# Altium PCB DC_Motor.PcbDoc (part 1 of 2)
Units mm, origin at the board's own origin, x right, y up, seen from the top; angles counter-clockwise.
Board outline 88.9 x 53.21 mm, 2 copper layers (Top Layer, Bottom Layer); 173 components, 107 nets, 517 pads, 209 vias.
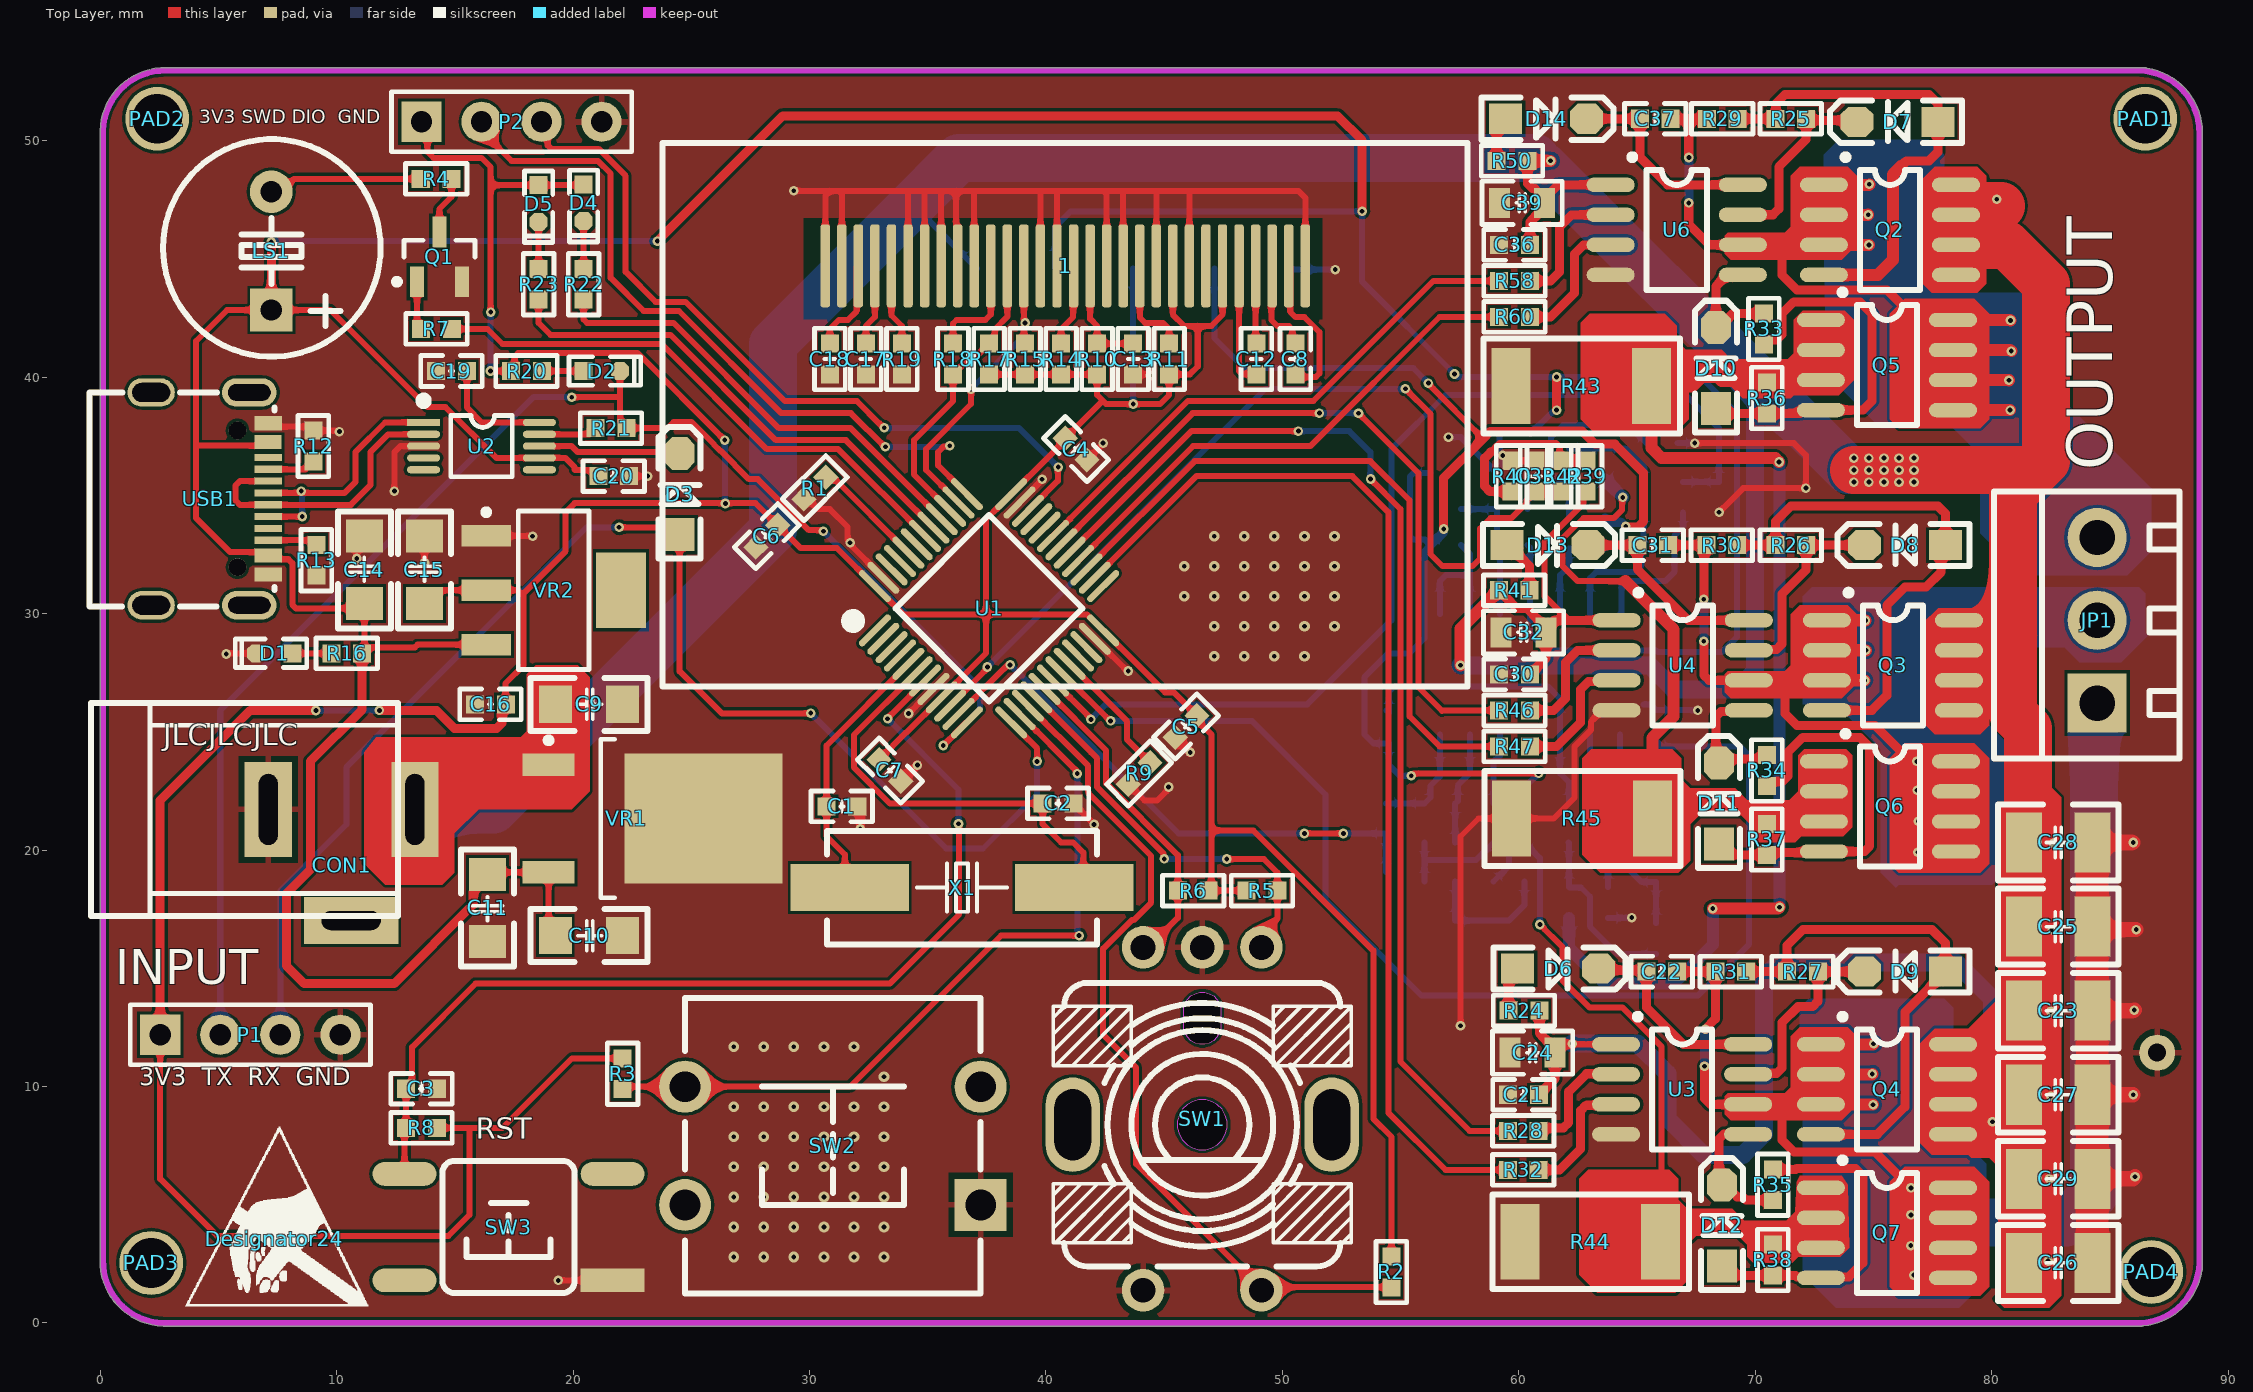
[diagram p0: Top Layer view]
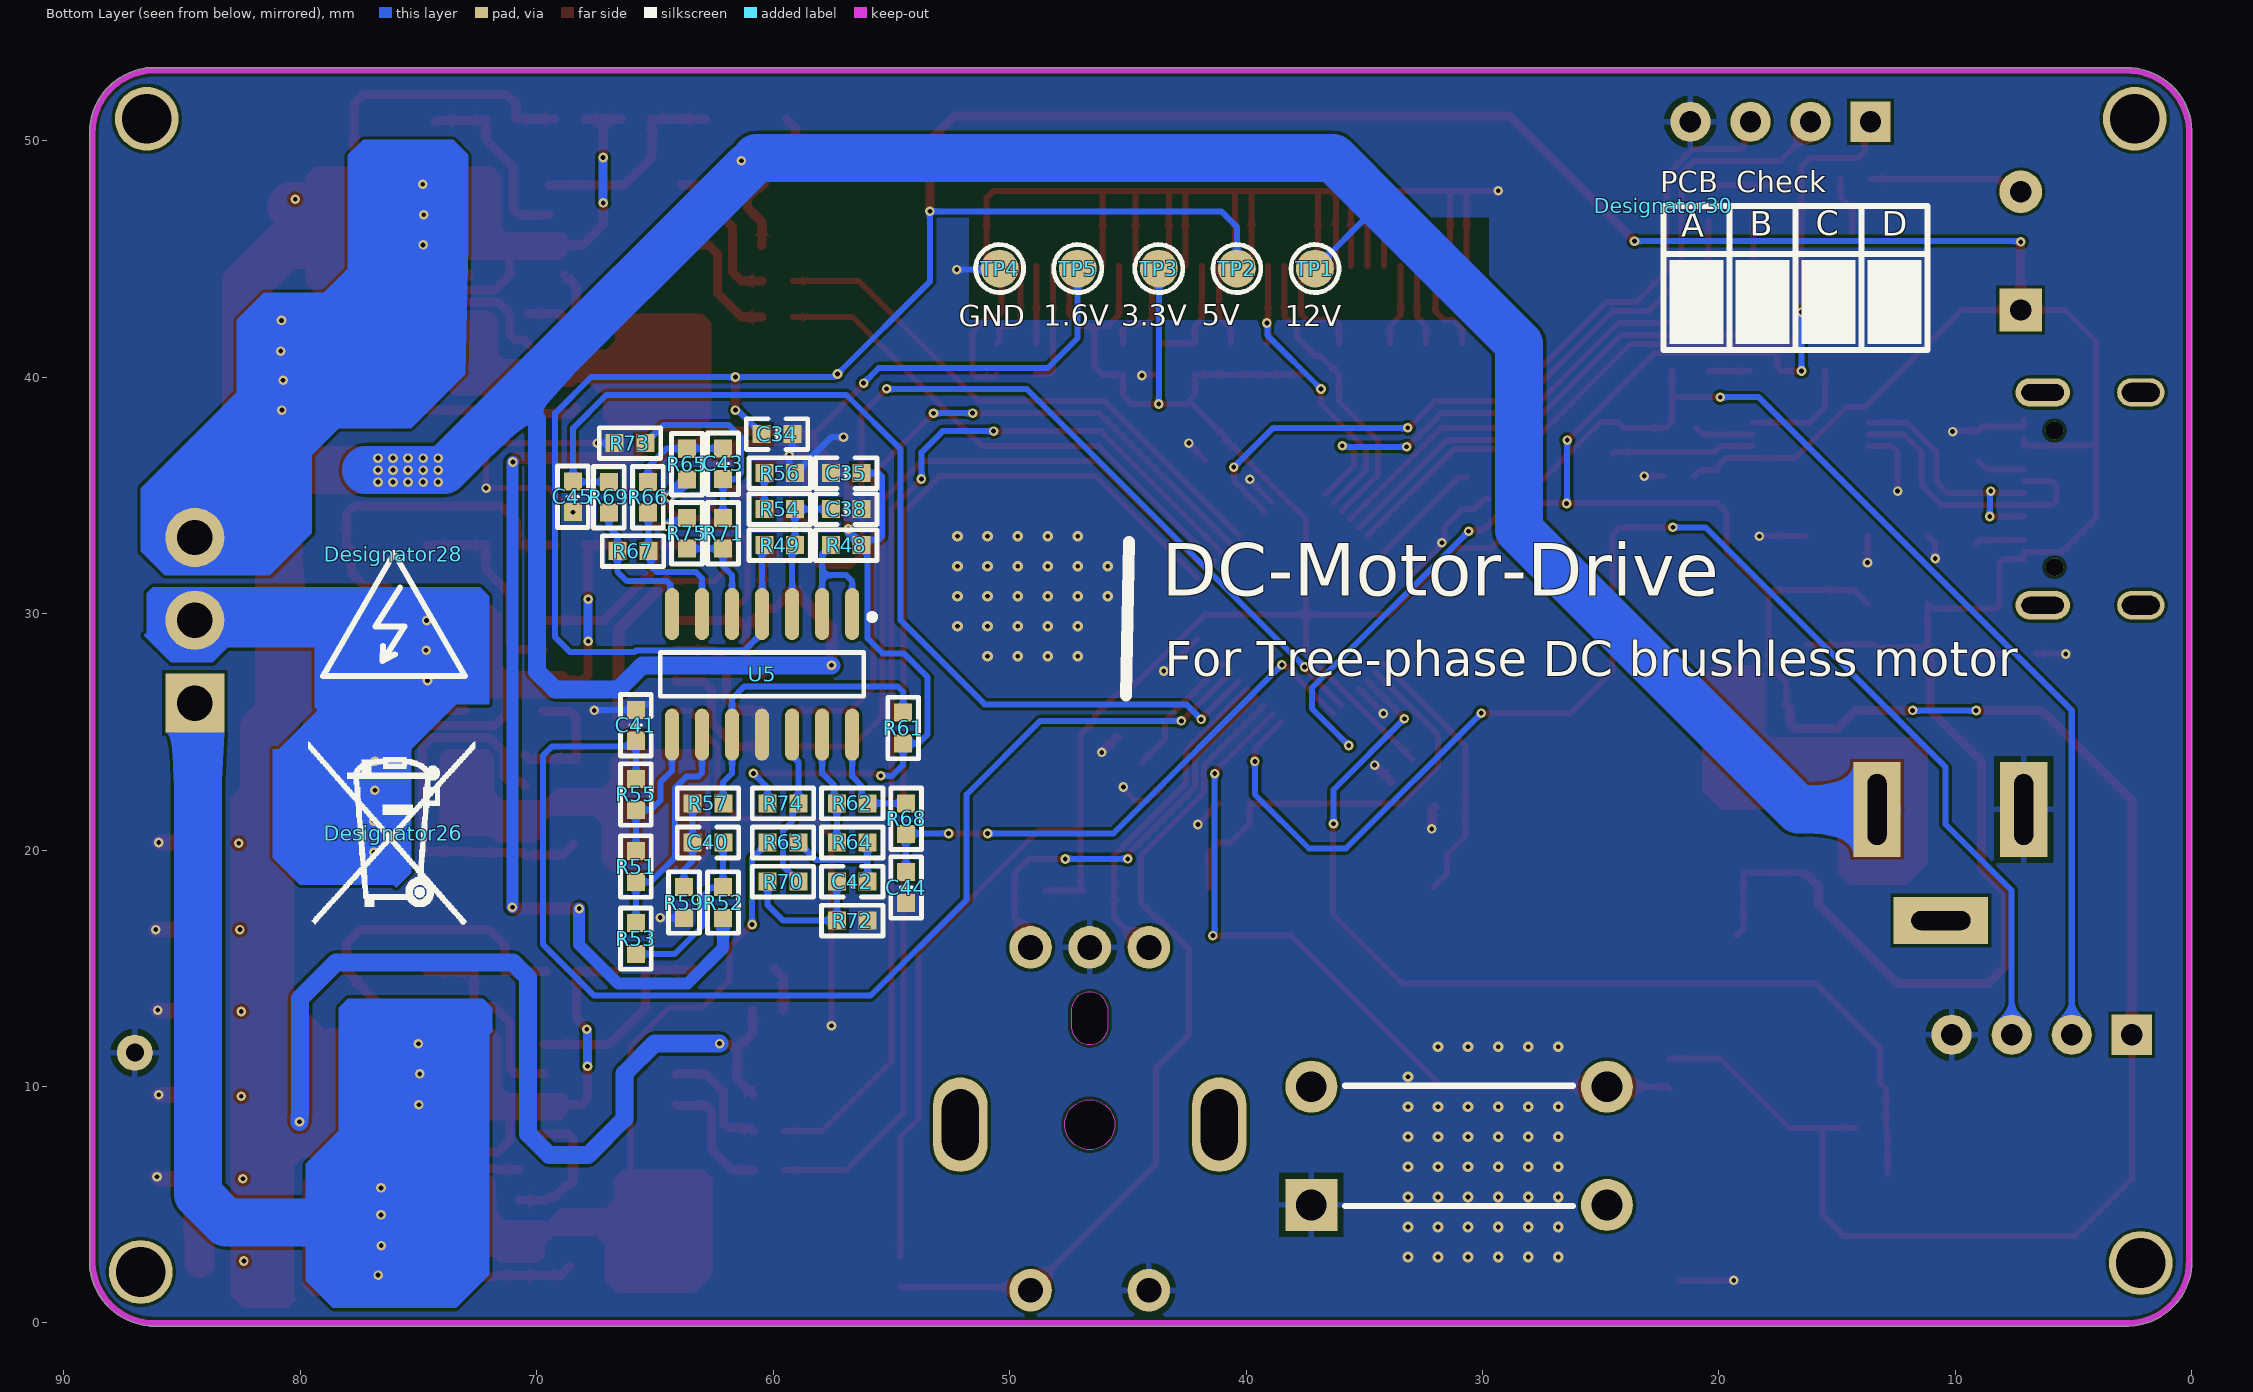
[diagram p1: Bottom Layer view, seen from below]

## Layer stack, top to bottom
Top Solder: solder mask 0.0102, Solder Resist, Dk 3.5
Top Layer: signal copper 0.0356
Dielectric 1: dielectric 0.32, FR-4, Dk 4.8
Bottom Layer: signal copper 0.0356
Bottom Solder: solder mask 0.0102, Solder Resist, Dk 3.5

## Board outline
2.667,-0.127 2.668,-0.127 86.104,-0.127 cw(c86.169,2.603) 86.103,-0.127 86.104,-0.127 ccw(c86.169,2.603) 86.235,-0.127 86.36,-0.127 ccw(c86.36,0) 86.409,-0.118 ccw(c86.169,2.603) 88.872,2.206 ccw(c88.773,2.286) 88.9,2.286 88.9,2.541 88.9,50.29 ccw(c86.169,50.355) 88.901,50.355 ccw(c86.169,50.355) 88.9,50.421 88.9,50.546 ccw(c88.773,50.546) 88.891,50.595 ccw(c86.169,50.355) 86.567,53.058 ccw(c86.487,52.959) 86.487,53.086 2.796,53.086 cw(c2.73,50.355) 2.797,53.086 2.796,53.086 ccw(c2.73,50.355) 0,50.422 ccw(c0.127,50.419) 0,50.419 0,2.669 cw(c2.73,2.603) 0,2.67 0,2.669 ccw(c2.73,2.603) 2.664,-0.127 ccw(c2.667,0)

## Design rules (kind name [scope] priority, off if disabled: settings)
Clearance [All] p1: gap=0.127 ignorepadtopadclearanceinfootprint=FALSE
ComponentClearance [All] p1: gap=0 collisioncheckmode=3 verticalgap=0 showdistances=FALSE
DiffPairsRouting [All] p1: maxlimit=0.229 minlimit=0.229 mostfreqgap=0.229 toplayer_minwidth=0.102 toplayer_maxwidth=0.102 toplayer_prefwidth=0.102 bottomlayer_minwidth=0.102 bottomlayer_maxwidth=0.102 bottomlayer_prefwidth=0.102 maxuncoupledlength=12.7
FanoutControl Fanout_BGA [All] p1: bgadir=Out bgaviamode=Centered fanoutstyle=Auto fanoutdirection=Alternating viagrid=0.025 // Fanout_BGA (Default Rule)
HoleSize [All] p1: absolutevalues=TRUE maxlimit=254 minlimit=0.203 maxpercent=80.000 minpercent=20.000
MinimumSolderMaskSliver [All] p1 off: minsoldermaskwidth=0.051
PlaneClearance [All] p1: clearance=0.203
PlaneConnect [All] p1: pad.planeconnectstyle=Relief pad.reliefexpansion=0.508 pad.reliefentries=4 pad.reliefconductorwidth=0.254 pad.reliefairgap=0.254 via.planeconnectstyle=Direct via.reliefexpansion=0.508 via.reliefentries=4 via.reliefconductorwidth=0.254 via.reliefairgap=0.254
PolygonConnect [All] p1: thpad.connectstyle=Relief thpad.reliefconductorwidth=0.254 thpad.reliefentries=4 thpad.polygonreliefangle="90 Angle" thpad.airgapwidth=0.254 smdpad.connectstyle=Direct smdpad.reliefconductorwidth=0.254 smdpad.reliefentries=4 smdpad.polygonreliefangle="90 Angle" smdpad.airgapwidth=0.254 via.connectstyle=Direct via.reliefconductorwidth=0.254 via.reliefentries=4 via.polygonreliefangle="90 Angle" via.airgapwidth=0.254
RoutingVias [All] p1: holewidth=0.203 width=0.406 viastyle="Through Hole" minholewidth=0.152 minwidth=0.305 maxholewidth=0.711 maxwidth=1.27
SilkToSilkClearance [All] p1: silktosilkclearance=0
SilkToSolderMaskClearance [IsPad] p1: minsilkscreentomaskgap=0 clearancetoexposedcopper=TRUE
SolderMaskExpansion [All] p1: expansion=0.076 istentingtop=FALSE
UnRoutedNet [All] p1: checkbadconnections=TRUE
Width [All] p1: maxlimit=254 minlimit=0.102 preferedwidth=0.254 minimp=50.000000 maximp=50.000000 favimp=50.000000
20 further rules are at their usual default settings.

## Classes and differential pairs
net class GND: GND
component class Main: 1 C1 C2 C3 C4 C5 C6 C7 C8 C9 C10 C11 C12 C13 C14 C15 C16 C17 C18 C19 C20 CON1 D1 D2 D3 D4 D5 LS1 P1 P2 PAD1 PAD2 PAD3 PAD4 Q1 R1 R2 R3 R4 R5 R6 R7 R8 R9 R10 R11 R12 R13 R14 R15 R16 R17 R18 R19 R20 R21 R22 R23 SW1 SW2 SW3 TP1 TP2 TP3 TP4 TP5 U1 U2 USB1 VR1 VR2 X1
component class FOC_4: C21 C22 C23 C24 C25 C26 C27 C28 C29 C30 C31 C32 C33 C34 C35 C36 C37 C38 C39 C40 C41 C42 C43 C44 C45 D6 D7 D8 D9 D10 D11 D12 D13 D14 JP1 Q2 Q3 Q4 Q5 Q6 Q7 R24 R25 R26 R27 R28 R29 R30 R31 R32 R33 R34 R35 R36 R37 R38 R39 R40 R41 R42 R43 R44 R45 R46 R47 R48 R49 R50 R51 R52 R53 R54 R55 R56 R57 R58 R59 R60 R61 R62 R63 R64 R65 R66 R67 R68 R69 R70 R71 R72 R73 R74 R75 U3 U4 U5 U6

## Components (designator, comment, footprint, x,y, rotation, side; value= is the part's Value field where it differs from the comment)
1 "OLED-12864" OLED-12864-1.3-TOP 40.806,37.846 r180 top locked
C1 "12P" C0603_L 31.369,21.844 r180 top
C2 "12P" C0603_L 40.513,21.971 r180 top
C3 "105" C0603_L 13.589,9.906 r180 top
C4 "0.1uF" C0603_L 41.275,36.957 r315 top
C5 "0.1uF" C0603_L 45.926,25.225 r225 top
C6 "0.1uF" C0603_L 28.194,33.274 r225 top
C7 "0.1uF" C0603_L 33.401,23.368 r315 top
C8 "1uF" C0603_L 50.546,40.767 r90 top value=0.1u
C9 "10uF/50V" C1206_L 20.701,26.162 r180 top
C10 "10uF/50V" C1206_L 20.701,16.383 r180 top
C11 "0.1uF/50v" C1206_L 16.383,17.526 r90 top
C12 "1uF" C0603_L 48.895,40.767 r270 top value=0.1u
C13 "10uF" C0603_L 43.688,40.767 r90 top value=0.1u
C14 "10uF/50v" C1206_L 11.176,31.877 r270 top
C15 "10uF/50v" C1206_L 13.716,31.877 r270 top
C16 "0.1uF/50V" C0603_L 16.51,26.162 r0 top
C17 "10uF" C0603_L 32.385,40.767 r270 top value=0.1u
C18 "1uF" C0603_L 30.861,40.767 r270 top value=0.1u
C19 "104" C0603_L 14.859,40.259 r0 top
C20 "104" C0603_L 21.717,35.814 r0 top
C21 "0.1uF" C0603_L 60.198,9.652 r180 top
C22 "10uF/50V" C0603_L 66.04,14.859 r180 top
C23 "1uF/50V" C1210_L 82.804,13.208 r0 top
C24 "10uF" C0805_L 60.579,11.43 r180 top
C25 "1uF/50V" C1210_L 82.804,16.764 r0 top
C26 "1uF/50V" C1210_L 82.804,2.54 r0 top
C27 "1uF/50V" C1210_L 82.804,9.652 r0 top
C28 "1uF/50V" C1210_L 82.804,20.32 r0 top
C29 "1uF/50V" C1210_L 82.804,6.096 r0 top
C30 "0.1uF" C0603_L 59.817,27.432 r180 top
C31 "0.1uF/50V" C0603_L 65.659,32.893 r180 top
C32 "10uF" C0805_L 60.198,29.21 r180 top
C33 "1uF" C0603_L 60.706,35.814 r270 top
C34 "10nF" C0603_L 59.832,37.592 r0 bottom
C35 "0.1uF" C0603_L 56.911,35.941 r180 bottom
C36 "0.1uF" C0603_L 59.817,45.593 r180 top
C37 "10uF/50V" C0603_L 65.771,50.927 r180 top
C38 "1uF" C0603_L 56.911,34.417 r0 bottom
C39 "10uF" C0805_L 60.137,47.371 r180 top
C40 "22pF" C0603_L 62.753,20.32 r0 bottom
C41 "10nF" C0603_L 65.801,25.273 r270 bottom
C42 "22pF" C0603_L 56.657,18.669 r0 bottom
C43 "22pF" C0603_L 62.118,36.337 r270 bottom
C44 "10nF" C0603_L 54.371,18.415 r90 bottom
C45 "10nF" C0603_L 68.468,34.94 r90 bottom
CON1 "3.5*1.3" DC-005 7.112,21.717 r180 top
D1 "LED0" LED0603_R 7.366,28.321 r180 top
D2 "LED0" LED0603_G 21.209,40.259 r0 top
D3 "1N4148" SOD-123 24.511,35.052 r90 top
D4 "LED" LED0603_B 20.447,47.371 r270 top
D5 "LED" LED0603_B 18.542,47.341 r270 top
D6 "1N4148" SOD-123 61.658,14.986 r0 top
D7 "1N4148" SOD-123 76.01,50.8 r180 top
D8 "1N4148" SOD-123 76.327,32.893 r180 top
D9 "1N4148" SOD-123 76.327,14.859 r180 top
D10 "1N4148" SOD-123 68.326,40.386 r90 top
D11 "1N4148" SOD-123 68.453,21.971 r90 top
D12 "1N4148" SOD-123 68.58,4.127 r90 top
D13 "1N4148" SOD-123 61.214,32.893 r0 top
D14 "1N4148" SOD-123 61.151,50.927 r0 top
Designator24 "Comment" ICO1 7.366,3.556 r0 top
Designator26 "Comment" ICO3 76.073,20.701 r180 bottom
Designator28 "Comment" INO5 76.073,32.512 r180 bottom
Designator30 "Comment" Check 22.352,47.244 r180 bottom
JP1 "HDR-1X3" KF350-3P 84.455,29.718 r90 top
LS1 "Bell" "BEEP 5x9x5.5" 7.239,45.339 r0 top
P1 "Debug" HDR2.54-LI-4P 6.35,12.192 r0 top
P2 "Debug" HDR2.54-LI-4P 17.399,50.8 r0 top
PAD1 "M2" M2 87.249,50.8 r90 top
PAD2 "M2" M2 3.175,50.8 r90 top
PAD3 "M2" M2 2.921,2.413 r90 top
PAD4 "M2" M2 87.503,2.032 r90 top
Q1 "S8050" SOT23-3N 14.351,45.085 r90 top
Q2 "NCEP0114AS" SOP8 72.923,48.158 r0 top
Q3 "NCEP0114AS" SOP8 73.05,29.743 r0 top
Q4 "NCEP0114AS" SOP8 72.796,11.811 r0 top
Q5 "NCEP0114AS" SOP8 72.796,42.443 r0 top
Q6 "NCEP0114AS" SOP8 72.923,23.774 r0 top
Q7 "NCEP0114AS" SOP8 72.796,5.74 r0 top
R1 "10K" R0603_L 30.226,35.306 r225 top
R2 "10K" R0603_L 54.61,2.159 r90 top
R3 "10K" R0603_L 22.098,10.541 r90 top
R4 "1K" R0603_L 14.209,48.387 r180 top value=22R
R5 "10K" R0603_L 49.134,18.288 r180 top
R6 "10K" R0603_L 46.228,18.288 r0 top
R7 "1K" R0603_L 14.224,42.037 r180 top value=22R
R8 "10K" R0603_L 13.589,8.255 r0 top
R9 "10K" R0603_L 43.942,23.241 r45 top
R10 "10K" R0603_L 42.164,40.767 r270 top value=22R
R11 "10K" R0603_L 45.212,40.767 r90 top value=22R
R12 "5.1K" R0603_L 9.017,37.084 r270 top value=22R
R13 "5.1K" R0603_L 9.144,32.258 r90 top value=22R
R14 "4.7K" R0603_L 40.64,40.767 r270 top value=22R
R15 "10K" R0603_L 39.116,40.767 r90 top value=22R
R16 "2K" R0603_L 10.429,28.321 r180 top value=22R
R17 "10K" R0603_L 37.592,40.767 r90 top value=22R
R18 "0R" R0603_L 36.068,40.767 r270 top value=22R
R19 "1M" R0603_L 33.909,40.767 r90 top value=22R
R20 "2K" R0603_L 18.034,40.259 r0 top value=22R
R21 "100" R0603_L 21.605,37.846 r180 top value=22R
R22 "2K" R0603_L 20.447,43.927 r270 top
R23 "2K" R0603_L 18.542,43.927 r270 top
R24 "22R" R0603_L 60.213,13.208 r180 top
R25 "10R" R0603_L 71.501,50.927 r180 top
R26 "10R" R0603_L 71.501,32.893 r180 top
R27 "10R" R0603_L 71.994,14.859 r180 top
R28 "100R" R0603_L 60.183,8.128 r0 top
R29 "10K" R0603_L 68.595,50.927 r0 top
R30 "10K" R0603_L 68.58,32.893 r0 top
R31 "10K" R0603_L 68.961,14.859 r0 top
R32 "100R" R0603_L 60.183,6.477 r0 top
R33 "10R" R0603_L 70.358,42.037 r270 top
R34 "10R" R0603_L 70.485,23.368 r270 top
R35 "10R" R0603_L 70.739,5.842 r90 top
R36 "10K" R0603_L 70.485,39.116 r270 top
R37 "10K" R0603_L 70.485,20.447 r270 top
R38 "10K" R0603_L 70.739,2.667 r270 top
R39 "30K" R0603_L 62.865,35.814 r270 top
R40 "10K" R0603_L 59.69,35.814 r90 top
R41 "22R" R0603_L 59.802,30.988 r0 top
R42 "10K" R0603_L 61.849,35.814 r270 top
R43 "0.05R" R2512_L 62.611,39.624 r0 top
R44 "0.05R" R2512_L 62.992,3.429 r0 top
R45 "0.05R" R2512_L 62.64,21.336 r0 top
R46 "100R" R0603_L 59.817,25.908 r0 top
R47 "100R" R0603_L 59.817,24.384 r0 top
R48 "1K" R0603_L 56.911,32.893 r0 bottom
R49 "20K" R0603_L 59.72,32.893 r180 bottom
R50 "22R" R0603_L 59.705,49.149 r180 top
R51 "33K" R0603_L 65.801,19.304 r90 bottom
R52 "1K" R0603_L 62.118,17.78 r90 bottom
R53 "1K" R0603_L 65.801,16.256 r90 bottom
R54 "10K" R0603_L 59.72,34.417 r180 bottom
R55 "33K" R0603_L 65.801,22.352 r270 bottom
R56 "100" R0603_L 59.72,35.941 r0 bottom
R57 "1K" R0603_L 62.753,21.971 r180 bottom
R58 "100R" R0603_L 59.817,44.069 r0 top
R59 "1K" R0603_L 63.769,17.78 r90 bottom
R60 "100R" R0603_L 59.817,42.545 r0 top
R61 "20K" R0603_L 54.498,25.161 r90 bottom
R62 "33K" R0603_L 56.657,21.971 r180 bottom
R63 "1K" R0603_L 59.578,20.32 r180 bottom
R64 "1K" R0603_L 56.657,20.32 r0 bottom
R65 "1K" R0603_L 63.642,36.322 r90 bottom
R66 "1K" R0603_L 65.293,34.925 r270 bottom
R67 "33K" R0603_L 65.928,32.639 r0 bottom
R68 "33K" R0603_L 54.371,21.321 r90 bottom
R69 "33K" R0603_L 66.944,34.925 r270 bottom
R70 "1K" R0603_L 59.578,18.669 r180 bottom
R71 "1K" R0603_L 62.118,33.401 r270 bottom
R72 "1K" R0603_L 56.657,17.018 r0 bottom
R73 "1K" R0603_L 66.055,37.211 r180 bottom
R74 "20K" R0603_L 59.578,21.971 r180 bottom
R75 "20K" R0603_L 63.642,33.401 r270 bottom
SW1 "EC11K1524406" SW-TH_EC11K1524406 46.609,8.636 r180 top
SW2 "12x12x5" "SW DIP-12*12*4.3" 30.988,7.493 r180 top
SW3 "6x6x5" "SW SMD-6*6*5" 17.272,4.064 r180 top
TP1 "TEST" "TEST 1.6" 37.084,44.59 r90 bottom
TP2 "TEST" "TEST 1.6" 40.386,44.59 r90 bottom
TP3 "TEST" "TEST 1.6" 43.688,44.59 r90 bottom
TP4 "TEST" "TEST 1.6" 50.419,44.59 r90 bottom
TP5 "TEST" "TEST 1.6" 47.117,44.59 r90 bottom
U1 "STM32F103C8T6" LQFP48-7*7 37.592,30.226 r315 top
U2 "CH340E" MSOP10_M 16.129,37.084 r270 top
U3 "EG2131" SOP8 64.135,11.811 r0 top
U4 "EG2131" SOP8 64.16,29.743 r0 top
U5 "LM324DT" SOIC-14 60.467,27.432 r270 bottom
U6 "EG2131" SOP8 63.906,48.158 r0 top
USB1 "Type-C" USB-C-SMD_16P 4.634,34.853 r90 top
VR1 "L78M05ABDT-TR" TO-252 23.368,21.336 r0 top
VR2 "AMS1117-3.3" SOT223_L 19.177,30.988 r0 top
X1 "8MHz" "OSC HC-49SMD" 36.449,18.415 r180 top
